# Altium PCB OFFICIAL_TX.PcbDoc (part 1 of 2)
Units mil, origin at the board's own origin, x right, y up, seen from the top; angles counter-clockwise.
Board outline 2055 x 2066 mil, 2 copper layers (Top Layer, Bottom Layer); 109 components, 91 nets, 414 pads, 190 vias.
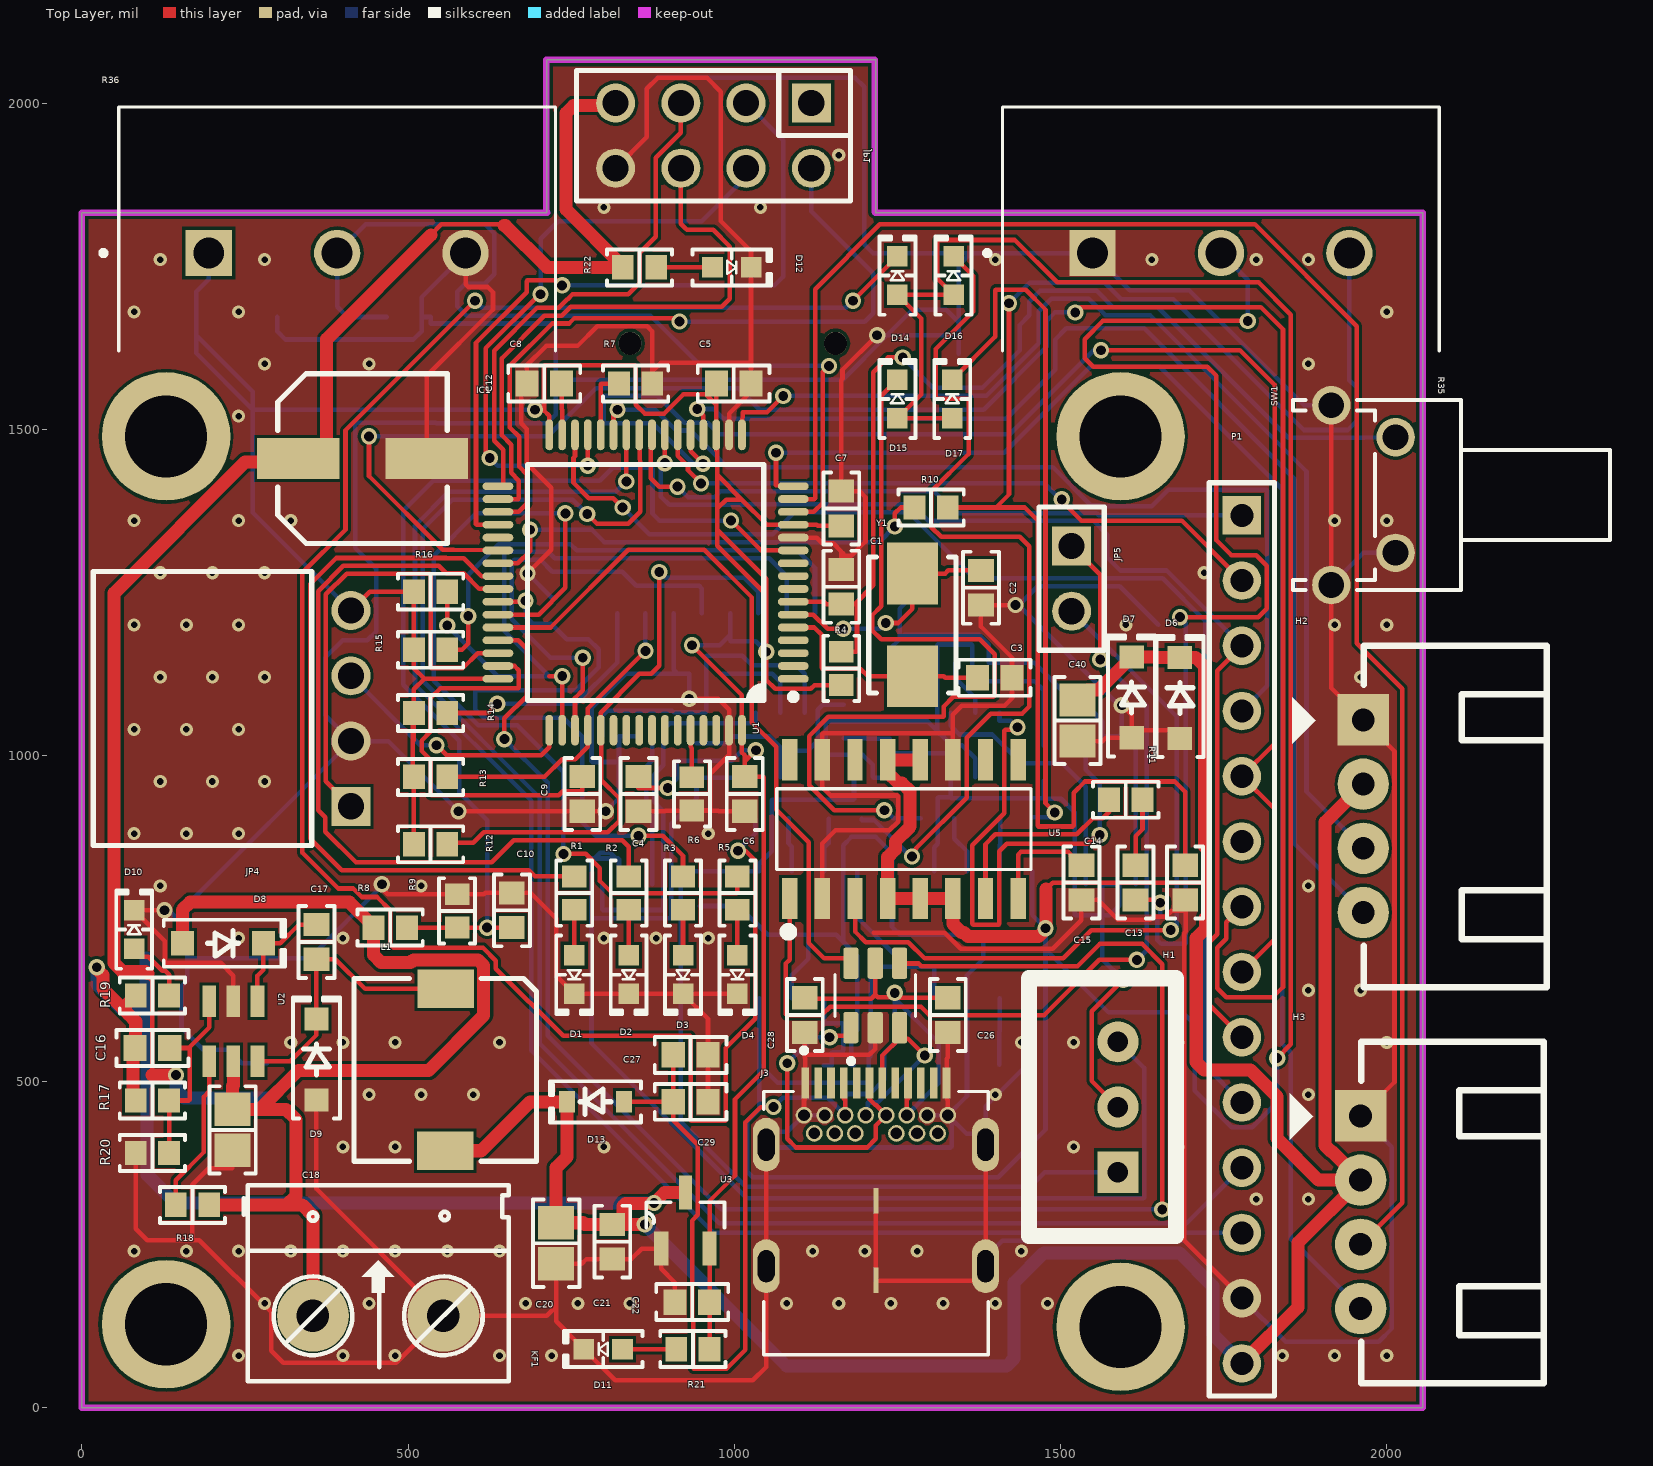
[diagram p0: Top Layer view]
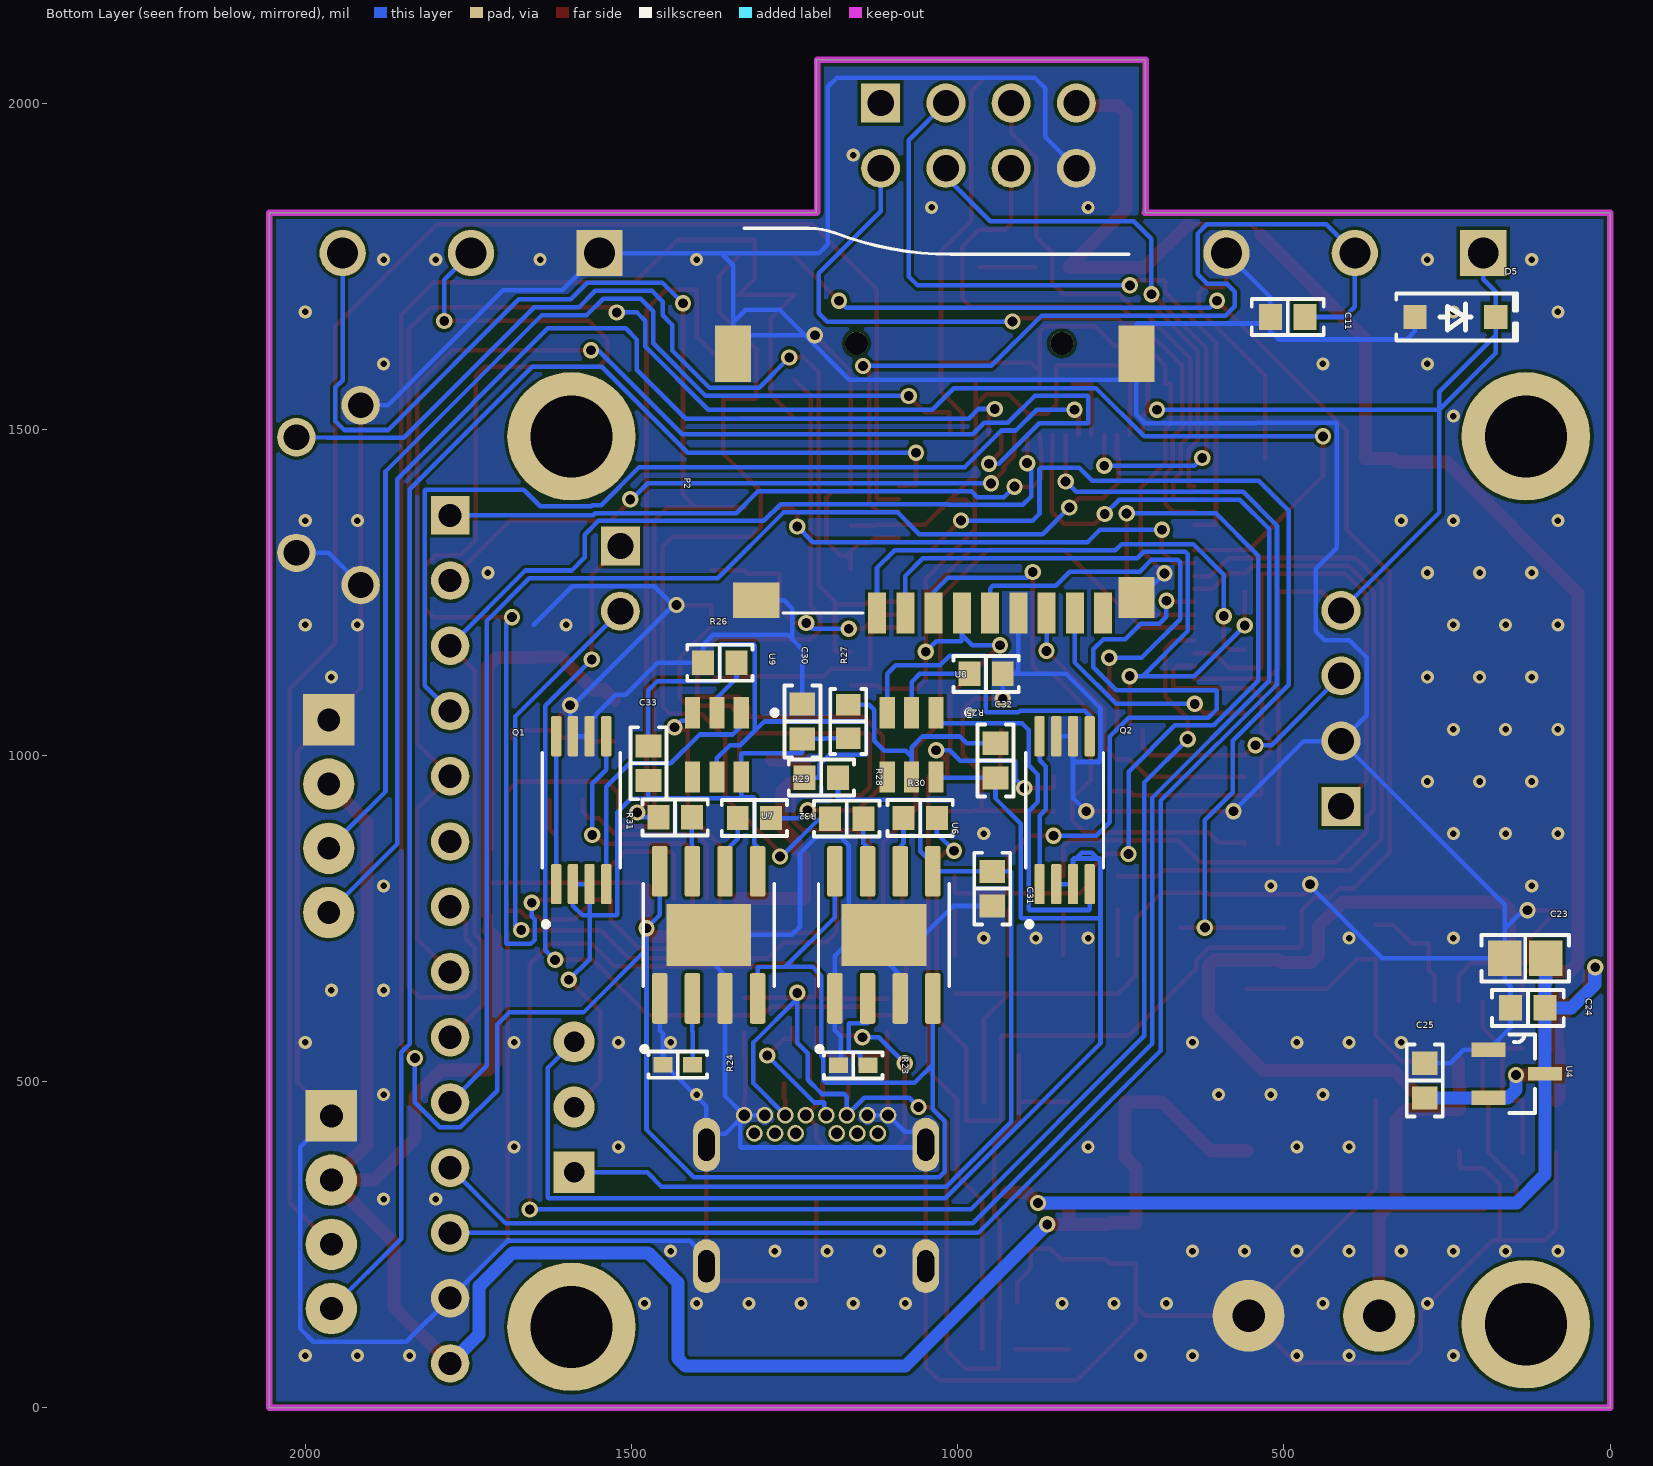
[diagram p1: Bottom Layer view, seen from below]
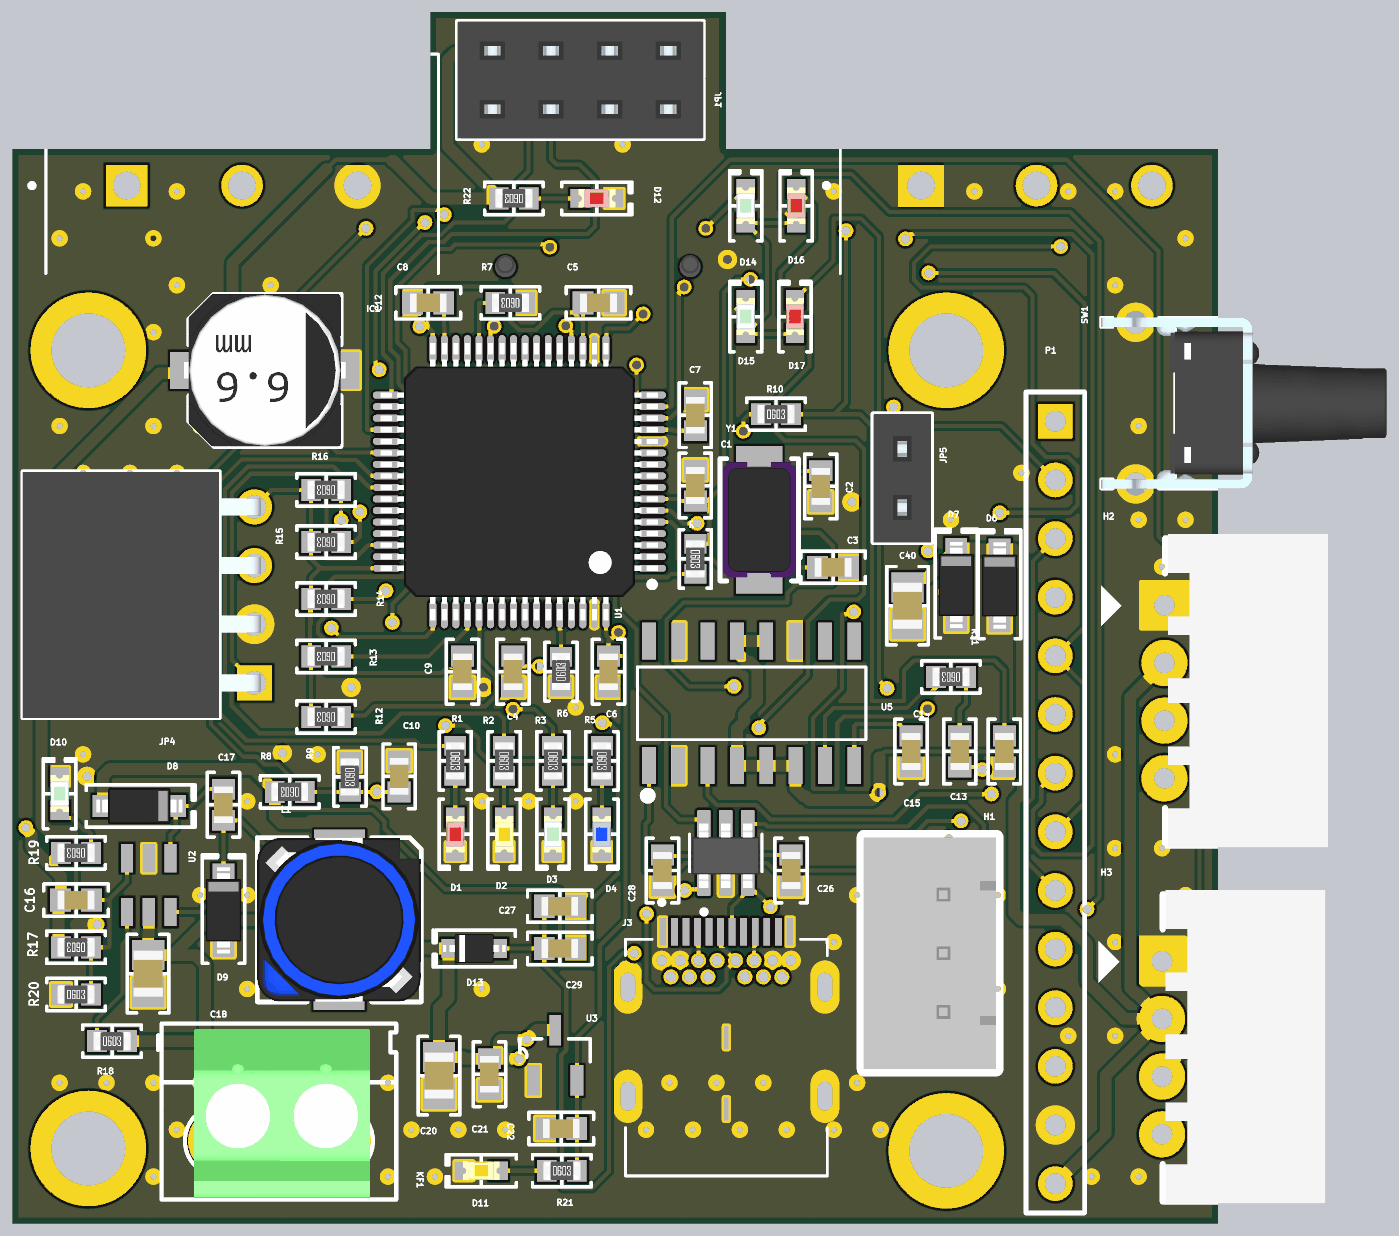
[diagram p3: 3D render of the assembled board from above, using the file's embedded part models]
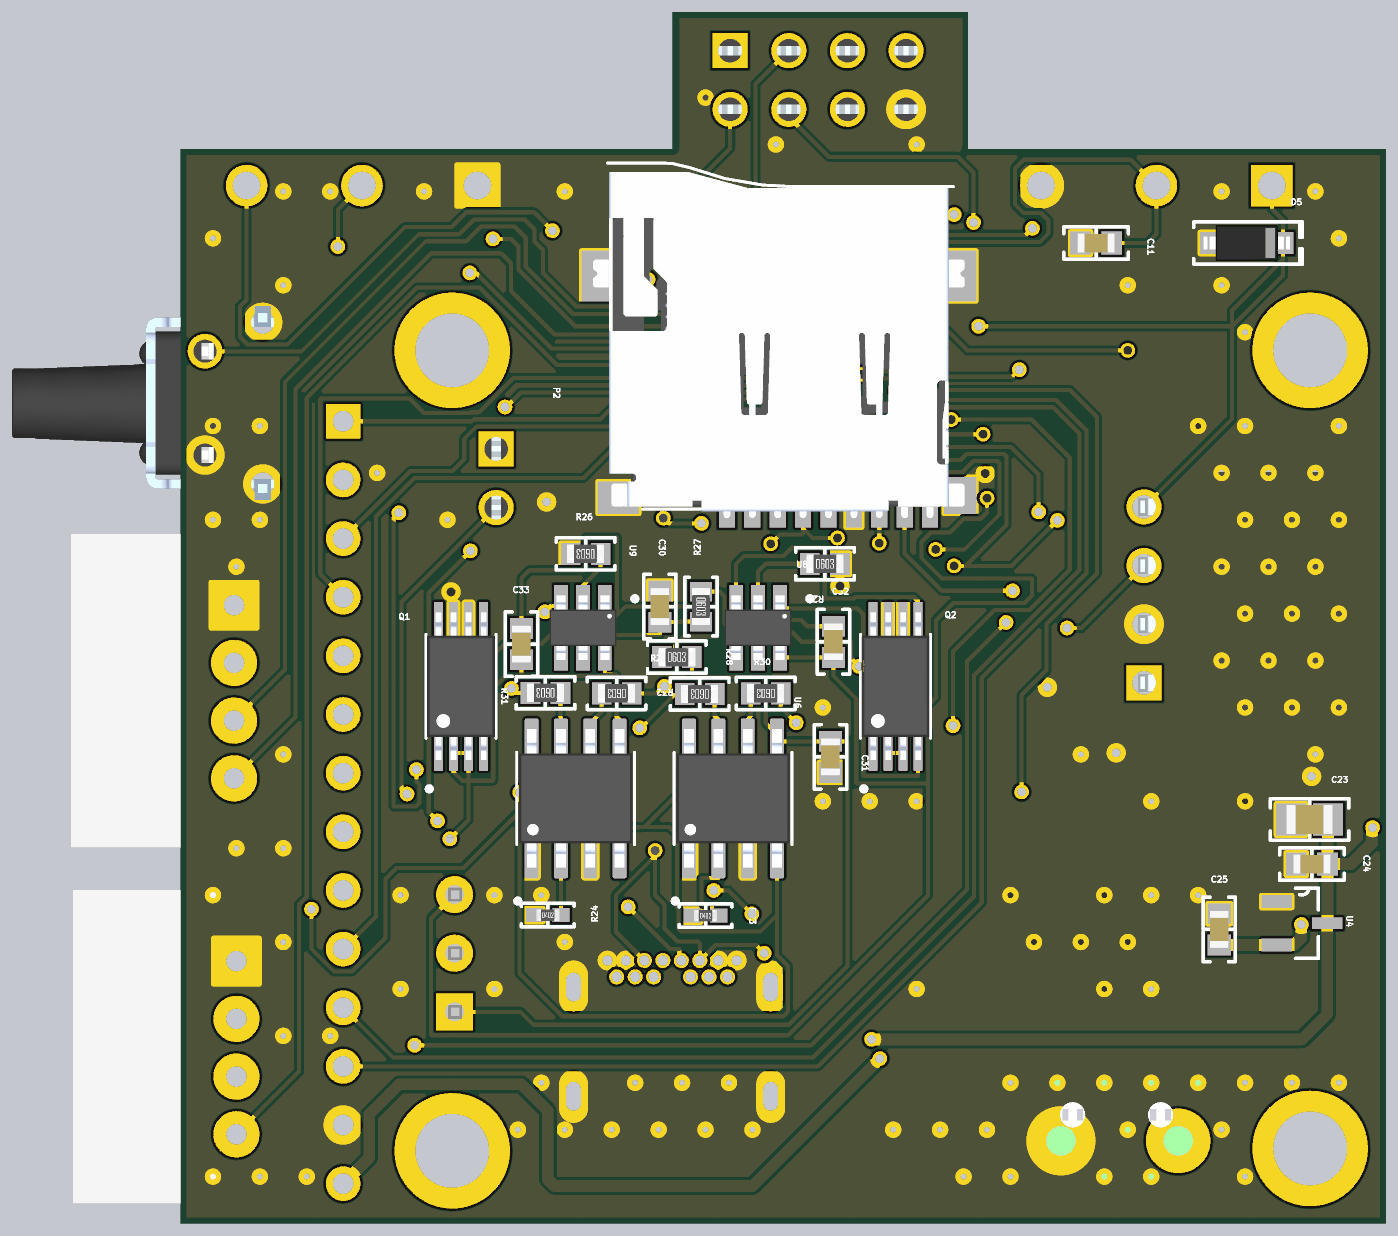
[diagram p4: 3D render of the assembled board from below, using the file's embedded part models]

## Layer stack, top to bottom
Top Solder: solder mask 0.4, Solder Resist, Dk 3.5
Top Layer: signal copper 1.4
Dielectric 1: dielectric 12.6, FR-4, Dk 4.8
Bottom Layer: signal copper 1.4
Bottom Solder: solder mask 0.4, Solder Resist, Dk 3.5

## Board outline
0,0 2055,0 2055,1832 1216.72,1832 1216.72,2066 712.65,2066 712.65,1832 0,1832

## Design rules (kind name [scope] priority, off if disabled: settings)
Clearance [All] p1: gap=5 ignorepadtopadclearanceinfootprint=FALSE
PolygonConnect PolygonConnect_2 [All vs IsNamedPolygon('GND_L02_P001')] p1: connectstyle=Direct reliefconductorwidth=10 reliefentries=4 polygonreliefangle="90 Angle" airgapwidth=10
PolygonConnect PolygonConnect_1 [All vs IsNamedPolygon('GND_L01_P000')] p2: connectstyle=Direct reliefconductorwidth=10 reliefentries=4 polygonreliefangle="90 Angle" airgapwidth=10
PolygonConnect [All] p3: connectstyle=Relief reliefconductorwidth=10 reliefentries=4 polygonreliefangle="90 Angle" airgapwidth=10
RoomDefinition Audio [InComponentClass('Audio')] p1: confinementstyle=ConfineIn formatcopy=TRUE lockcomponents=FALSE outline 0,0 2000,0 2000,1000 0,1000
RoutingVias [All] p1: holewidth=15 width=25 viastyle="Through Hole" minholewidth=10 minwidth=15 maxholewidth=25 maxwidth=30
SolderMaskExpansion [All] p1: expansion=4 istentingtop=FALSE
Width [All] p1: maxlimit=30 minlimit=7 preferedwidth=7 minimp=50.000000 maximp=50.000000 favimp=50.000000
30 further rules are at their usual default settings.

## Classes and differential pairs
component class USB_C: C26 C27 C28 C29 C30 C31 C32 C33 D13 D14 D15 D16 D17 H1 J3 Q1 Q2 R23 R24 R25 R26 R27 R28 R29 R30 R31 R32 U5 U6 U7 U8 U9
component class Power_2: AAA C16 C17 C18 C20 C21 C22 C23 C24 C25 C40 D8 D9 D10 D11 D12 KF1 L1 R17 R18 R19 R20 R21 R22 U2 U3 U4
component class MAIN_TX: C1 C2 C3 C4 C5 C6 C7 C8 C9 C10 C11 C12 D1 D2 D3 D4 D5 D6 D7 H2 H3 IC1 JP4 P1 R1 R2 R3 R4 R5 R6 R7 R8 R9 R36 SW1 Y1
component class Audio: C13 C14 C15 JP5 P2 R10 R11 R12 R13 R14 R15 R16 R35 U1

## Components (designator, comment, footprint, x,y, rotation, side; value= is the part's Value field where it differs from the comment)
C1 "0.1 µF" "CAP 0603_1608" 1164,1258.48 r270 top
C2 "20pF" "CAP 0603_1608" 1378,1257 r90 top
C3 "20pF" "CAP 0603_1608" 1399,1119 r180 top
C4 "0.1 µF" "CAP 0603_1608" 853,941 r90 top
C5 "0.1 µF" "CAP 0603_1608" 999,1570 r180 top
C6 "0.1 µF" "CAP 0603_1608" 1016,941 r90 top
C7 "0.1 µF" "CAP 0603_1608" 1164,1378.43 r270 top
C8 "2.2 µF" "CAP 0603_1608" 708.57,1570 r0 top
C9 "2.2 µF" "CAP 0603_1608" 767,941 r90 top
C10 "0.1 µF" "CAP 0603_1608" 659,762.57 r270 top
C11 "0.1 µF" "CAP 0603_1608" 494,1672 r180 bottom
C12 "220 µF" "CAP ALSMD 6.6MM H6.1MM" 430,1455 r0 top
C13 "0.22 µF" "CAP 0603_1608" 1615,805 r90 top
C14 "0.1 µF" "CAP 0603_1608" 1691,805 r90 top
C15 "1 µF" "CAP 0603_1608" 1532,805 r90 top
C16 "1000 pF" "CAP 0603_1608" 108,551.52 r180 top
C17 "0.1 µF" "CAP 0603_1608" 359.43,714.17 r90 top
C18 "10 µF" "CAP 0805_2012" 230.99,426 r90 top
C20 "10 µF" "CAP 0805_2012" 726.94,252.12 r90 top
C21 "0.1µF" "CAP 0603_1608" 812.94,254.56 r90 top
C22 "10 µF" "CAP 0603_1608" 935.43,162 r0 top
C23 "10 µF" "CAP 0805_2012" 130,689.04 r180 bottom
C24 "0.1µF" "CAP 0603_1608" 126,613 r180 bottom
C25 "10 µF" "CAP 0603_1608" 284,501.57 r270 bottom
C26 "0.1µF" "CAP 0603_1608" 1327.24,602 r90 top
C27 "0.1µF" "CAP 0603_1608" 933,541 r180 top
C28 "0.1µF" "CAP 0603_1608" 1108,602 r90 top
C29 "0.1µF" "CAP 0603_1608" 933,469 r180 top
C30 "10 µF" "CAP 0603_1608" 1238,1052 r90 bottom
C31 "10 µF" "CAP 0603_1608" 947,795.73 r270 bottom
C32 "0.1µF" "CAP 0603_1608" 942,992 r90 bottom
C33 "0.1µF" "CAP 0603_1608" 1474,988 r90 bottom
C40 "22 µF" "CAP 0805_2012" 1526,1053.5 r90 top
D1 "Red" "LED 0603_1608 RED" 754.67,663.87 r270 top
D2 "Yellow" "LED 0603_1608 YELLOW" 838.01,663.87 r270 top
D3 "Green" "LED 0603_1608 GREEN" 921.34,663.87 r270 top
D4 "Blue" "LED 0603_1608 BLUE" 1004.67,663.87 r270 top
D5 "1N5819HW-7-F" SOD-123 237.16,1672 r180 bottom
D6 "1N5819HW-7-F" SOD-123 1683,1088 r90 top
D7 "1N5819HW-7-F" SOD-123 1609,1089 r90 top
D8 "1N5819HW-7-F" SOD-123 216,712 r0 top
D9 "1N5819HW-7-F" SOD-123 359.43,534 r90 top
D10 "Green" "LED 0603_1608 GREEN" 80,733 r90 top
D11 "Yellow" "LED 0603_1608 YELLOW" 799,90 r180 top
D12 "Red" "LED 0603_1608 RED" 996.05,1748 r0 top
D13 "BAT60JFILM" SOD323 787,469 r180 top
D14 "Green" "LED 0603_1608 GREEN" 1250,1735.53 r90 top
D15 "Green" "LED 0603_1608 GREEN" 1250,1546.53 r90 top
D16 "Red" "LED 0603_1608 RED" 1336,1735.53 r90 top
D17 "Red" "LED 0603_1608 RED" 1334,1546.53 r90 top
H1 "Header 3P 2.54 Duc Thang" XH2.54M-3 1588,361 r90 top
H2 "Header 4P 2.54 Duc Cong" "Header 4P DC 2.54" 1965,1053.42 r0 top
H3 "Header 4P 2.54 Duc Cong" "Header 4P DC 2.54" 1961,446.43 r0 top
IC1 "STM32F405RGT6" "ST LQFP-64 10X10MM" 864,1265 r180 top
J3 "SS-52400-002" BELFUSE_SS-52400-002 1217,217 r0 top
JP1 "JP 2x4 2.54" "JP 2x4 CT" 968,1950 r180 top
JP4 "JP 1x4 2.54" "JP 1x4 CC" 412.32,1072 r90 top
JP5 "JP 1x2 2.54" "JP 1x2 CT" 1517,1321 r270 top
KF1 "CON 2 KF301" "Con 2 KF301 5.08" 354,141 r0 top
L1 "10µH" "TDK SLF7032" 557,518 r270 top
P1 "Header 14" HDR1X14 1778,1368 r270 top
P2 "ST-TF-003A" SUNTECH_ST-TF-003A 985,1428 r0 bottom
Q1 "FS8205A" SOP65P640X120-8N 1577,916 r90 bottom
Q2 "FS8205A" SOP65P640X120-8N 836,916 r90 bottom
R1 "680 kOhms" "RES 0603_1608" 754.67,788.99 r270 top
R2 "680 kOhms" "RES 0603_1608" 838.01,788.99 r270 top
R3 "680 kOhms" "RES 0603_1608" 921.34,788.99 r270 top
R4 "100 kOhms" "RES 0603_1608" 1164,1133.41 r270 top
R5 "680 kOhms" "RES 0603_1608" 1004.67,788.99 r270 top
R6 "10 kOhms" "RES 0603_1608" 935,941 r90 top
R7 "10 kOhms" "RES 0603_1608" 848.67,1570 r180 top
R8 "10 kOhms" "RES 0603_1608" 472.46,736 r180 top
R9 "20 kOhms" "RES 0603_1608" 575,761.59 r270 top
R10 "4.7 kOhms" "RES 0603_1608" 1301.65,1380 r0 top
R11 "10 kOhms" "RES 0603_1608" 1600,932 r180 top
R12 "4.7 kOhms" "RES 0603_1608" 534.43,863.85 r180 top
R13 "4.7 kOhms" "RES 0603_1608" 534.43,967 r180 top
R14 "4.7 kOhms" "RES 0603_1608" 534.43,1065 r180 top
R15 "4.7 kOhms" "RES 0603_1608" 534.43,1162 r180 top
R16 "4.7 kOhms" "RES 0603_1608" 534.43,1251 r180 top
R17 "52.3 kOhms" "RES 0603_1608" 108,471.04 r180 top
R18 "100 kOhms" "RES 0603_1608" 169.41,311 r0 top
R19 "1 kOhms" "RES 0603_1608" 108,632 r180 top
R20 "10 kOhms" "RES 0603_1608" 108,390.56 r0 top
R21 "680 Ohms" "RES 0603_1608" 936.41,90 r0 top
R22 "680 Ohms" "RES 0603_1608" 854.59,1748 r180 top
R23 "1.2 kOhms" "RES 0402_1005" 1160,525 r180 bottom
R24 "1.2 kOhms" "RES 0402_1005" 1429,526 r180 bottom
R25 "1 kOhms" "RES 0603_1608" 956.41,1125 r180 bottom
R26 "1 kOhms" "RES 0603_1608" 1364.57,1142 r0 bottom
R27 "110 Ohms" "RES 0603_1608" 1167.75,1052 r270 bottom
R28 "110 Ohms" "RES 0603_1608" 1209,966 r180 bottom
R29 "1 kOhms" "RES 0603_1608" 1170,903 r0 bottom
R30 "1 kOhms" "RES 0603_1608" 1057.41,904 r0 bottom
R31 "1 kOhms" "RES 0603_1608" 1433,905 r0 bottom
R32 "1 kOhms" "RES 0603_1608" 1311.59,904 r0 bottom
R35 "PTN16-A10115K1B1" POT_PTN16-A10115K1B1 1549,1770 r0 top
R36 "PTN16-A10115K1B1" POT_PTN16-A10115K1B1 194.3,1770 r0 top
SW1 "431256083716" 4312560837x6 2048,1399 r90 top
U1 "PAM8403DR" SOIC127P605X150-16N 1260,887 r90 top
U2 "LM2734YMK" SOT95P285X100-6N 232,577 r270 top
U3 "MCP1700T-3302E/TT" SOT95P237X112-3N 925,287 r90 top
U4 "MCP1700T-3302E/TT" SOT95P237X112-3N 143,512 r180 bottom
U5 "USBLC6-2SC6" SOT95P280X145-6N#1 1216,632 r90 top
U6 "TP4056" SOP127P600X175-9N 1113.09,724.87 r90 bottom
U7 "TP4056" SOP127P600X175-9N 1381.58,724.87 r90 bottom
U8 "DW01A" SOT95P280X145-6N#2 1070.49,1016 r270 bottom
U9 "DW01A" SOT95P280X145-6N#2 1369,1016 r270 bottom
Y1 "8 MHz" "NDK NX5032GA" 1273,1200 r270 top
